# Altium PCB OctopusPB_r0101.PcbDoc (part 10 of 11) (continued)
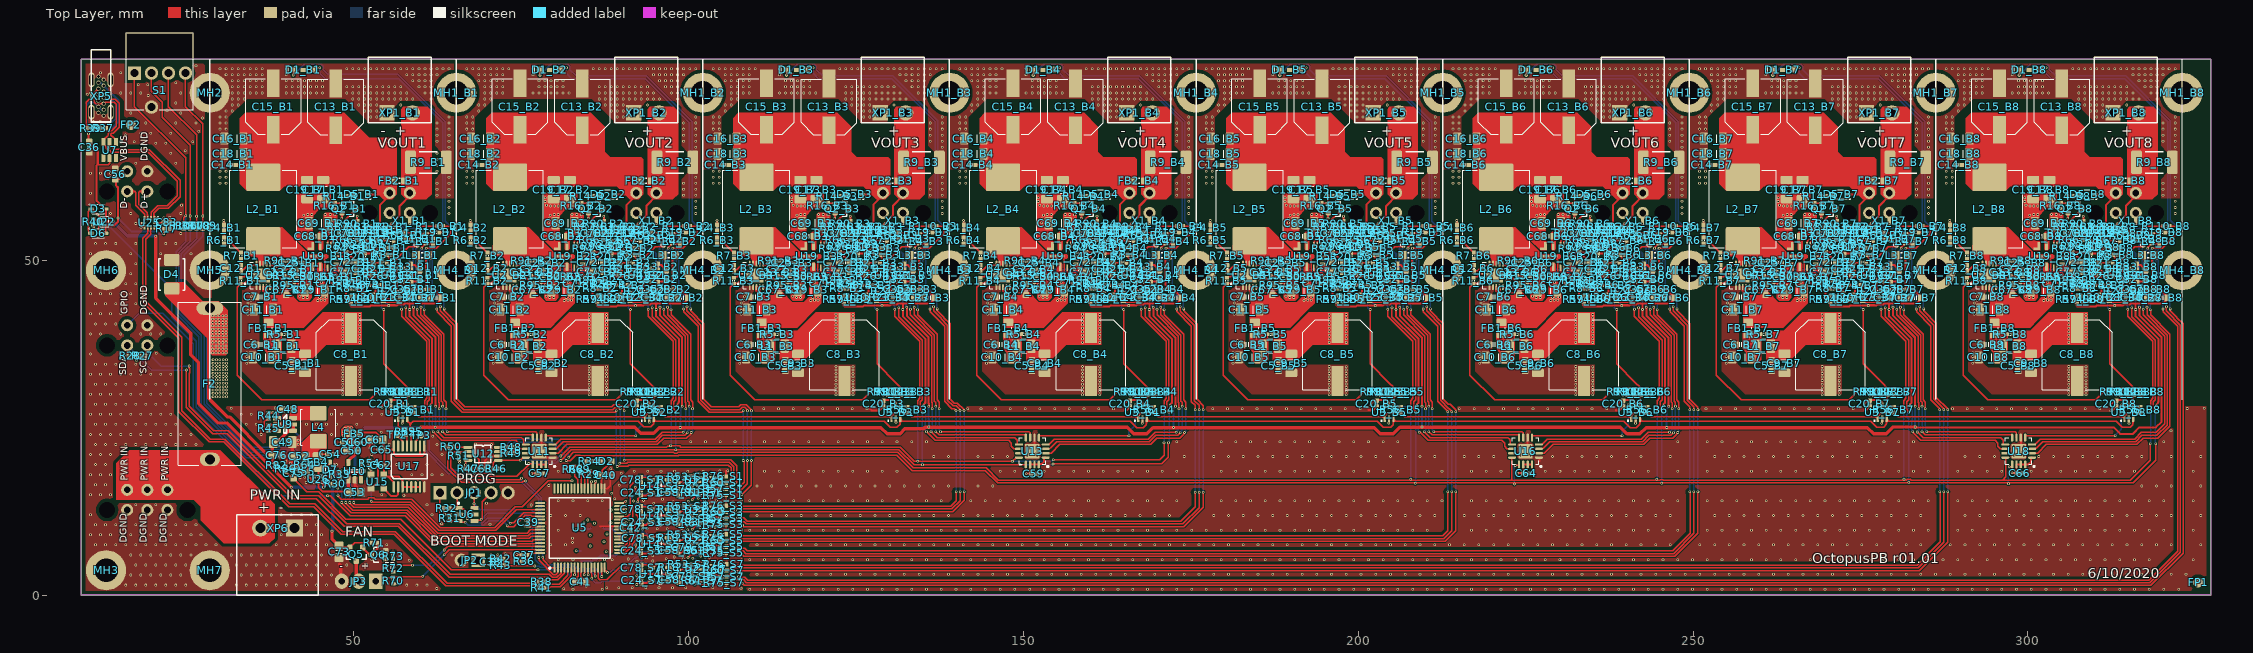
[diagram p0: Top Layer view]
## Nets (pads, with @x,y where several pads share a name; then routed paths per layer and width w, separated by ;. In a path a pad name is that pad's centre, name@x,y a point inside that pad or via, vN(x,y) a via of type N, cw(c..) or ccw(c..) an arc to the next point about the centre after c; other vN are vias at no path point) (continued)
  Top Layer w0.3: D5_B3.1@125.9,59.825 128.765,59.825 XP2_B3.1@129,60.06 129,59.7 127.575,58.275 127.575,55.715 127.375,55.515 v1(127.375,55.35) 127.375,55.3 R12_B3.2@127.178,55.103 ; R63_B3.2@126.13,55.025 126.23,54.925 R12_B3.2@126.9,54.925 ; R63_B3.2@126.15,55.025 R63_B3.2@126.265,55.14
  Bottom Layer w0.2: v1(127.375,55.35) 127.391,55.35 127.737,55.005 130.855,55.005 132.734,53.125 134.113,53.125 134.951,52.286 134.951,51.551 134.575,51.175 134.575,45.834 136.05,44.359 v1(136.05,42.725) ; v1@139.925,15.425 v1(139.925,27.55)
  other v1: 139.95,15.425 124.15,46.675 124.15,47.2
VOUT4: C13_B4.1 C14_B4.1 C15_B4.1 C16_B4.1 C17_B4.1 C18_B4.1 C19_B4.1 D5_B4.1 FB2_B4.1 L2_B4.2 R12_B4.2 R60_S4.1 R63_B4.2 R83_B4.2 XP2_B4.1 | length 132.9
  Top Layer w0.2: v1(107.25,11.55) 108.227,11.55 108.752,11.025 109.925,11.025 173.525,11.025 175.65,13.15 v1(175.65,15.325) ; C14_B4.1@142.84,64.225 143.7,64.225 ; R12_B4.2@163.725,54.925 163.76,54.89 164.21,54.89 v1(164.225,54.875) 164.225,54.88 R12_B4.2@164.003,55.103 ; v1(172.875,42.725) 172.913,42.687 172.913,42.312 ; 172.952,42.273 175.088,40.137 175.088,28.887 175.65,28.325 v1(175.65,27.675)
  Top Layer w0.3: D5_B4.1@162.725,59.825 165.59,59.825 XP2_B4.1@165.825,60.06 165.825,59.7 164.4,58.275 164.4,55.715 164.2,55.515 v1(164.2,55.35) 164.2,55.3 R12_B4.2@164.003,55.103 ; R63_B4.2@162.955,55.025 163.055,54.925 R12_B4.2@163.725,54.925 ; R63_B4.2@162.975,55.025 R63_B4.2@163.09,55.14
  Bottom Layer w0.2: R60_S4.1@105.63,11.46 105.639,11.451 106.091,11.451 106.418,11.125 106.832,11.125 107.25,11.543 v1(107.25,11.55) ; v1(164.2,55.35) 164.216,55.35 164.562,55.005 167.68,55.005 169.559,53.125 170.938,53.125 171.776,52.286 171.776,51.551 171.4,51.175 171.4,45.834 172.875,44.359 v1(172.875,42.725) ; v1(175.65,15.325) v1(175.65,27.675)
  other v1: 160.975,46.675 160.975,47.2
VOUT5: C13_B5.1 C14_B5.1 C15_B5.1 C16_B5.1 C17_B5.1 C18_B5.1 C19_B5.1 D5_B5.1 FB2_B5.1 L2_B5.2 R12_B5.2 R60_S5.1 R63_B5.2 R83_B5.2 XP2_B5.1 | length 174
  Top Layer w0.2: R60_S5.1@105.655,8.155 105.84,8.34 106.09,8.34 106.825,9.075 107.598,9.075 107.848,8.825 212.625,8.825 213.4,9.6 213.4,15.35 v1(213.35,15.4) ; C14_B5.1@179.665,64.225 180.525,64.225 ; R12_B5.2@200.55,54.925 200.585,54.89 201.035,54.89 v1(201.05,54.875) 201.05,54.88 R12_B5.2@200.828,55.103 ; v1(209.7,42.725) 209.738,42.687 209.738,42.312 211.875,40.175 211.875,28.925 213.35,27.45 v1(213.35,27.35)
  Top Layer w0.3: D5_B5.1@199.55,59.825 202.415,59.825 XP2_B5.1@202.65,60.06 202.65,59.7 201.225,58.275 201.225,55.715 201.025,55.515 v1(201.025,55.35) 201.025,55.3 R12_B5.2@200.828,55.103 ; R63_B5.2@199.78,55.025 199.88,54.925 R12_B5.2@200.55,54.925 ; R63_B5.2@199.8,55.025 R63_B5.2@199.915,55.14
  Bottom Layer w0.2: v1(201.025,55.35) 201.041,55.35 201.387,55.005 204.505,55.005 206.384,53.125 207.763,53.125 208.601,52.286 208.601,51.551 208.225,51.175 208.225,45.834 209.7,44.359 v1(209.7,42.725) ; v1(213.35,15.4) v1(213.35,27.35)
  other v1: 197.8,46.675 197.8,47.2
VOUT6: C13_B6.1 C14_B6.1 C15_B6.1 C16_B6.1 C17_B6.1 C18_B6.1 C19_B6.1 D5_B6.1 FB2_B6.1 L2_B6.2 R12_B6.2 R60_S6.1 R63_B6.2 R83_B6.2 XP2_B6.1 | length 211.1
  Top Layer w0.2: v1(107.205,7.15) 107.381,6.975 108.391,6.975 108.766,6.6 246.95,6.6 249.55,9.2 249.55,15.375 v1(249.525,15.4) ; C14_B6.1@216.49,64.225 217.35,64.225 ; R12_B6.2@237.375,54.925 237.41,54.89 237.86,54.89 v1(237.875,54.875) 237.875,54.88 R12_B6.2@237.653,55.103 ; v1(246.525,42.725) 246.563,42.687 246.563,42.312 248.7,40.175 248.7,28.925 249.525,28.1 v1(249.525,27.65)
  Top Layer w0.3: D5_B6.1@236.375,59.825 239.24,59.825 XP2_B6.1@239.475,60.06 239.475,59.7 238.05,58.275 238.05,55.715 237.85,55.515 v1(237.85,55.35) 237.85,55.3 R12_B6.2@237.653,55.103 ; R63_B6.2@236.605,55.025 236.705,54.925 R12_B6.2@237.375,54.925 ; R63_B6.2@236.625,55.025 R63_B6.2@236.74,55.14
  Bottom Layer w0.2: R60_S6.1@105.66,7.225 105.66,7.185 105.845,7 106.193,7 106.393,6.8 106.848,6.8 107.199,7.15 v1(107.205,7.15) ; v1(237.85,55.35) 237.866,55.35 238.212,55.005 241.33,55.005 243.209,53.125 244.588,53.125 245.427,52.286 245.427,51.551 245.05,51.175 245.05,45.834 246.525,44.359 v1(246.525,42.725) ; v1(249.525,15.4) v1(249.525,27.65)
  other v1: 234.625,46.675 234.625,47.2
VOUT7: C13_B7.1 C14_B7.1 C15_B7.1 C16_B7.1 C17_B7.1 C18_B7.1 C19_B7.1 D5_B7.1 FB2_B7.1 L2_B7.2 R12_B7.2 R60_S7.1 R63_B7.2 R83_B7.2 XP2_B7.1 | length 250.4
  Top Layer w0.2: R60_S7.1@105.675,3.685 105.675,3.725 105.86,3.91 106.135,3.91 106.675,4.45 283.469,4.45 286.95,7.931 286.95,15.325 v1(286.85,15.425) ; R60_S7.1@105.685,3.7 R60_S7.1@105.855,3.87 ; C14_B7.1@253.315,64.225 254.175,64.225 ; R12_B7.2@274.2,54.925 274.235,54.89 274.685,54.89 v1(274.7,54.875) 274.7,54.88 R12_B7.2@274.478,55.103 ; v1(283.35,42.725) 283.388,42.687 283.388,42.312 285.525,40.175 285.525,29.15 286.796,27.879 v1@286.796,27.621
  Top Layer w0.3: D5_B7.1@273.2,59.825 276.065,59.825 XP2_B7.1@276.3,60.06 276.3,59.7 274.875,58.275 274.875,55.715 274.675,55.515 v1(274.675,55.35) 274.675,55.3 R12_B7.2@274.478,55.103 ; R63_B7.2@273.43,55.025 273.53,54.925 R12_B7.2@274.2,54.925 ; R63_B7.2@273.45,55.025 R63_B7.2@273.565,55.14
  Bottom Layer w0.2: v1(274.675,55.35) 274.691,55.35 275.037,55.005 278.155,55.005 280.034,53.125 281.413,53.125 282.252,52.286 282.252,51.551 281.875,51.175 281.875,45.834 283.35,44.359 v1(283.35,42.725) ; v1(286.85,15.425) v1(286.85,27.675)
  other v1: 271.45,46.675 271.45,47.2
VOUT8: C13_B8.1 C14_B8.1 C15_B8.1 C16_B8.1 C17_B8.1 C18_B8.1 C19_B8.1 D5_B8.1 FB2_B8.1 L2_B8.2 R12_B8.2 R60_S8.1 R63_B8.2 R83_B8.2 XP2_B8.1 | length 286.9
  Top Layer w0.2: v1(107.45,2.75) 107.488,2.712 107.656,2.712 107.718,2.65 108.373,2.65 108.798,2.225 318.044,2.225 322.35,6.531 322.35,40.175 320.213,42.312 320.213,42.687 v1(320.175,42.725) ; C14_B8.1@290.14,64.225 291,64.225 ; R12_B8.2@311.025,54.925 311.06,54.89 311.51,54.89 v1(311.525,54.875) 311.525,54.88 R12_B8.2@311.303,55.103
  Top Layer w0.3: D5_B8.1@310.025,59.825 312.89,59.825 XP2_B8.1@313.125,60.06 313.125,59.7 311.7,58.275 311.7,55.715 311.5,55.515 v1(311.5,55.35) 311.5,55.3 R12_B8.2@311.303,55.103 ; R63_B8.2@310.255,55.025 310.355,54.925 R12_B8.2@311.025,54.925 ; R63_B8.2@310.275,55.025 R63_B8.2@310.39,55.14
  Bottom Layer w0.2: R60_S8.1@105.705,2.785 105.705,2.745 105.9,2.55 106.273,2.55 106.473,2.35 106.887,2.35 107.287,2.75 v1(107.45,2.75) ; v1(311.5,55.35) 311.516,55.35 311.862,55.005 314.98,55.005 316.859,53.125 318.238,53.125 319.077,52.286 319.077,51.551 318.7,51.175 318.7,45.834 320.175,44.359 v1(320.175,42.725)
  other v1: 308.275,46.675 308.275,47.2
VOUT_CH1: C78_S1.1 R18_S1.1 U5.28 U14_S1.4 | length 14.2
  Top Layer w0.2: U5.28@89.616,11.759 89.666,11.709 90.402,11.709 90.411,11.701 90.833,11.701 91.25,12.118 91.25,16.282 92.363,17.395 92.665,17.395 92.875,17.605 C78_S1.1@92.875,17.625 92.915,17.585 93.698,17.585 94.098,17.185 U14_S1.4@94.375,17.185 94.625,17.185 95.225,17.785 98.355,17.785 R18_S1.1@98.45,17.69
VOUT_CH2: C78_S2.1 R18_S2.1 U5.27 U14_S2.4 | length 12.6
  Top Layer w0.2: U5.27@89.616,11.259 89.635,11.278 90.425,11.278 90.447,11.301 90.975,11.301 91.03,11.245 v1(91.084,11.245)
  Bottom Layer w0.2: v1(91.084,11.245) 91.126,11.286 91.126,13.129 91.211,13.215 91.211,14.219 92.093,15.1 92.835,15.1 92.863,15.073 93.645,15.073 94.045,15.473 U14_S2.4@94.328,15.473 94.573,15.473 95.173,14.873 98.303,14.873 R18_S2.1@98.398,14.968
VOUT_CH3: C78_S3.1 R18_S3.1 U5.19 U14_S3.4 | length 14.8
  Top Layer w0.2: U5.19@89.616,7.259 89.635,7.278 90.372,7.278 90.8,7.707 90.8,8.025 91.985,9.21 91.985,10.94 91.654,11.271 91.654,13.129 91.85,13.325 92.78,13.325 C78_S3.1@92.875,13.23 92.915,13.19 93.698,13.19 94.098,12.79 U14_S3.4@94.375,12.79 94.625,12.79 95.225,13.39 98.355,13.39 R18_S3.1@98.45,13.295
VOUT_CH4: C78_S4.1 R18_S4.1 U5.18 U14_S4.4 | length 11.5
  Top Layer w0.2: U5.18@89.616,6.759 89.635,6.778 90.437,6.778 91.2,7.541 91.2,7.859 92.425,9.084 92.425,9.6
  Bottom Layer w0.2: v1(92.5,9.8) 92.538,9.838 92.538,10.238 92.9,10.6 C78_S4.1@92.9,10.62 ; C78_S4.1@92.895,10.7 92.935,10.66 93.718,10.66 94.118,11.06 U14_S4.4@94.4,11.06 94.645,11.06 95.245,10.46 98.375,10.46 R18_S4.1@98.47,10.555
VOUT_CH5: C78_S5.1 R18_S5.1 U5.17 U14_S5.4 | length 10.7
  Top Layer w0.2: U5.17@89.616,6.259 89.635,6.278 90.562,6.278 91.6,7.316 91.6,7.682 92.613,8.695 92.835,8.695 93.045,8.905 C78_S5.1@93.045,8.915 ; C78_S5.1@92.945,8.955 C78_S5.1@92.945,8.975 ; C78_S5.1@93.045,8.925 C78_S5.1@93.045,8.915 ; R18_S5.1@98.5,9.02 98.345,9.175 95.335,9.175 94.675,8.515 94.148,8.515 93.748,8.915 C78_S5.1@93.045,8.915
VOUT_CH6: C78_S6.1 R18_S6.1 U5.16 U14_S6.4 | length 13.3
  Top Layer w0.2: U5.16@87.491,4.109 87.441,4.109 87.441,3.804 v1(87.881,3.364)
  Bottom Layer w0.2: v1(87.881,3.364) 87.919,3.403 88.278,3.403 88.3,3.425 88.325,3.425 88.625,3.725 90.057,3.725 91.857,5.525 92.09,5.525 92.93,6.365 C78_S6.1@92.93,6.385 ; C78_S6.1@92.965,6.425 93.748,6.425 94.148,6.825 U14_S6.4@94.43,6.825 94.675,6.825 95.275,6.225 98.405,6.225 R18_S6.1@98.5,6.32
VOUT_CH7: C78_S7.1 R18_S7.1 U5.14 U14_S7.4 | length 15.5
  Top Layer w0.2: U5.14@86.491,4.109 86.472,4.09 86.472,3.11 86.525,3.057 86.525,2.483 86.733,2.275 87.8,2.275 90.05,4.525 C78_S7.1@92.945,4.525 ; C78_S7.1@92.745,4.31 92.955,4.52 92.955,4.54 92.995,4.5 93.778,4.5 94.178,4.1 94.705,4.1 95.305,4.7 98.435,4.7 R18_S7.1@98.53,4.605
VOUT_CH8: C78_S8.1 R18_S8.1 U5.12 U14_S8.4 | length 15.9
  Top Layer w0.2: U5.12@85.491,4.109 85.485,4.103 85.485,3.246 85.504,3.227 v1(85.504,2.5)
  Bottom Layer w0.2: v1(85.504,2.5) 85.504,2.446 85.625,2.325 85.625,2.25 86.025,1.85 86.85,1.85 87.076,2.076 92.844,2.076 C78_S8.1@92.975,1.945 92.975,1.965 C78_S8.1@92.765,2.175 ; C78_S8.1@93.01,1.985 93.793,1.985 94.193,2.385 U14_S8.4@94.475,2.385 94.72,2.385 95.32,1.785 98.45,1.785 R18_S8.1@98.545,1.88
VOUT_FB_S1: C58_S1.2 U14_S1.1 U21_S1.4 | length 6.6
  Top Layer w0.2: U14_S1.1@96.975,15.285 97.05,15.21 97.75,15.21 98.025,14.935 98.435,14.935 C58_S1.2@98.45,14.92 98.54,15.01 98.875,15.01 99.075,15.21 99.075,16.425 99.71,17.06 100.681,17.06 101.031,17.41 101.138,17.41 101.313,17.585 U21_S1.4@101.638,17.585
VOUT_FB_S2: C58_S2.2 U14_S2.1 U21_S2.4 | length 6.6
  Bottom Layer w0.2: U14_S2.1@96.923,17.373 96.998,17.448 97.698,17.448 97.973,17.723 98.383,17.723 98.398,17.738 98.488,17.648 98.823,17.648 99.223,17.248 99.223,16.095 99.72,15.598 100.633,15.598 100.983,15.248 101.09,15.248 101.265,15.073 U21_S2.4@101.59,15.073
VOUT_FB_S3: C58_S3.2 U14_S3.1 U21_S3.4 | length 6.2
  Top Layer w0.2: U14_S3.1@96.975,10.89 97.05,10.815 97.75,10.815 98.025,10.54 98.435,10.54 C58_S3.2@98.45,10.525 98.54,10.615 98.875,10.615 99.275,11.015 99.275,12.132 99.808,12.665 100.681,12.665 101.031,13.015 101.138,13.015 U21_S3.4@101.313,13.19
VOUT_FB_S4: C58_S4.2 U14_S4.1 U21_S4.4 | length 6.6
  Bottom Layer w0.2: U14_S4.1@96.995,12.96 97.07,13.035 97.77,13.035 98.045,13.31 98.455,13.31 98.47,13.325 98.56,13.235 98.895,13.235 99.295,12.835 99.295,11.748 99.758,11.285 100.606,11.285 101.056,10.835 101.163,10.835 101.338,10.66 U21_S4.4@101.657,10.66
VOUT_FB_S5: C58_S5.2 U14_S5.1 U21_S5.4 | length 6.6
  Top Layer w0.2: U14_S5.1@97.025,6.615 97.1,6.54 97.8,6.54 98.075,6.265 98.485,6.265 98.5,6.25 98.59,6.34 98.925,6.34 99.325,6.74 99.325,7.85 99.865,8.39 100.731,8.39 100.807,8.467 100.807,8.533 101.034,8.76 101.132,8.76 101.287,8.915 U21_S5.4@101.687,8.915
VOUT_FB_S6: C58_S6.2 U14_S6.1 U21_S6.4 | length 6.6
  Bottom Layer w0.2: U14_S6.1@97.025,8.725 97.1,8.8 97.8,8.8 98.075,9.075 98.485,9.075 98.5,9.09 98.59,9 98.925,9 99.325,8.6 99.325,7.45 99.825,6.95 100.731,6.95 101.081,6.6 101.187,6.6 101.362,6.425 U21_S6.4@101.687,6.425
VOUT_FB_S7: C58_S7.2 U14_S7.1 U21_S7.4 | length 6.6
  Top Layer w0.2: U14_S7.1@97.055,2.2 97.13,2.125 97.83,2.125 98.105,1.85 98.515,1.85 98.53,1.835 98.62,1.925 98.955,1.925 99.355,2.325 99.355,3.455 99.875,3.975 99.89,3.96 100.751,3.96 101.101,4.31 101.207,4.31 101.397,4.5 U21_S7.4@101.717,4.5
VOUT_FB_S8: C58_S8.2 U14_S8.1 U21_S8.4 | length 6.6
  Bottom Layer w0.2: U14_S8.1@97.07,4.285 97.145,4.36 97.845,4.36 98.12,4.635 98.53,4.635 98.545,4.65 98.635,4.56 98.97,4.56 99.37,4.16 99.37,3.08 99.8,2.65 100.641,2.65 100.99,2.301 100.99,2.296 101.301,1.985 U21_S8.4@101.732,1.985
VOUT_SHUNT1: FB2_B1.2 R1_B1.2 R2_B1.2 R9_B1.2 R57_S1.1 XP1_B1.2 XP2_B1.2 | length 94.2
  Top Layer w0.2: R1_B1.2@54.5,55.005 54.515,54.99 55.405,54.99 R2_B1.2@55.42,54.975 ; v1(62.925,43.05) 62.925,42.425 64.05,41.3 64.05,41.266 65.004,40.312 65.004,29.08 66.384,27.7 88.693,27.7 88.993,28 89.407,28 89.607,27.8 v1(89.8,27.8) ; v1(89.729,19.701) 89.768,19.663 90.155,19.663 90.168,19.65 90.75,19.65 90.9,19.8 106.066,19.8 106.725,19.141 106.725,17.262 106.4,16.937 106.4,16.475 106.028,16.103 R57_S1.1@105.723,16.103
  Top Layer w0.3: R2_B1.2@55.42,54.975 55.555,55.11 55.555,55.38 v1(55.7,55.525) 56.85,56.675 56.85,58.1 58.35,59.6 XP2_B1.2@58.35,60.06
  Bottom Layer w0.2: v1(55.7,55.525) 57.25,55.525 58.008,54.767 59.386,54.767 61.701,52.452 61.701,51.386 61.325,51.009 61.325,46 62.925,44.4 v1(62.925,43.05) ; v1(89.729,19.701) 89.768,19.739 89.768,20.178 89.8,20.21 v1(89.8,27.8)
VOUT_SHUNT2: FB2_B2.2 R1_B2.2 R2_B2.2 R9_B2.2 R57_S2.1 XP1_B2.2 XP2_B2.2 | length 62.5
  Top Layer w0.2: R1_B2.2@91.325,55.005 91.34,54.99 92.23,54.99 R2_B2.2@92.245,54.975 ; v1(99.75,43.05) 99.75,42.425 100.875,41.3 100.875,41.266 101.829,40.312 101.829,29.08 103.209,27.7 107.643,27.7 107.968,28.025 108.382,28.025 108.775,27.632 v1(108.775,27.525) ; v1(106.756,16.006) 107.163,15.6 107.732,15.6 108.775,16.643 v1(108.775,20.1)
  Top Layer w0.3: R2_B2.2@92.245,54.975 92.38,55.11 92.38,55.38 v1(92.525,55.525) 93.675,56.675 93.675,58.1 95.175,59.6 XP2_B2.2@95.175,60.06
  Bottom Layer w0.2: v1(92.525,55.525) 94.075,55.525 94.833,54.767 96.211,54.767 98.526,52.452 98.526,51.386 98.15,51.009 98.15,46 99.75,44.4 v1(99.75,43.05) ; R57_S2.1@105.558,16.798 105.561,16.794 105.969,16.794 v1(106.756,16.006) ; v1(108.775,20.1) v1(108.775,27.525)
VOUT_SHUNT3: FB2_B3.2 R1_B3.2 R2_B3.2 R9_B3.2 R57_S3.1 XP1_B3.2 XP2_B3.2 | length 91.7
  Top Layer w0.2: R57_S3.1@105.605,11.465 105.605,11.505 105.79,11.69 106.008,11.69 106.125,11.807 106.125,11.832 106.967,12.674 v1(106.992,12.674) 107.046,12.674 107.222,12.85 139.284,12.85 140.525,14.091 v1@140.525,15.425 ; R1_B3.2@128.15,55.005 128.165,54.99 129.055,54.99 R2_B3.2@129.07,54.975 ; v1(136.575,43.05) 136.575,42.425 137.7,41.3 137.7,41.266 138.654,40.312 138.654,29.08 139.5,28.234 139.948,28.234 140.525,27.657 v1(140.525,27.55)
  Top Layer w0.3: R2_B3.2@129.07,54.975 129.205,55.11 129.205,55.38 v1(129.35,55.525) 130.5,56.675 130.5,58.1 132,59.6 XP2_B3.2@132,60.06
  Layer 2 w0.2: v1(106.992,12.674) v1@107.046,12.674
  Bottom Layer w0.2: v1(129.35,55.525) 130.9,55.525 131.658,54.767 133.036,54.767 135.351,52.452 135.351,51.386 134.975,51.009 134.975,46 136.575,44.4 v1(136.575,43.05) ; v1@140.525,15.425 v1(140.525,27.55)
  other v1: 140.55,15.425
VOUT_SHUNT4: FB2_B4.2 R1_B4.2 R2_B4.2 R9_B4.2 R57_S4.1 XP1_B4.2 XP2_B4.2 | length 128.3
  Top Layer w0.2: v1(106.625,11.625) 106.625,11.468 107.168,10.925 108.287,10.925 108.587,10.625 173.809,10.625 176.25,13.066 v1(176.25,15.325) ; R1_B4.2@164.975,55.005 164.99,54.99 165.88,54.99 R2_B4.2@165.895,54.975 ; 173.4,42.425 v1(173.4,43.05) ; 173.438,42.387 174.563,41.262 ; 174.563,41.227 175.517,40.274 175.517,29.042 176.25,28.309 v1(176.25,27.675)
  Top Layer w0.3: R2_B4.2@165.895,54.975 166.03,55.11 166.03,55.38 v1(166.175,55.525) 167.325,56.675 167.325,58.1 168.825,59.6 XP2_B4.2@168.825,60.06
  Bottom Layer w0.2: R57_S4.1@105.63,12.385 105.63,12.345 105.815,12.16 106.09,12.16 v1(106.625,11.625) ; v1(166.175,55.525) 167.725,55.525 168.483,54.767 169.861,54.767 172.176,52.452 172.176,51.386 171.8,51.009 171.8,46 173.4,44.4 v1(173.4,43.05) ; v1(176.25,15.325) v1(176.25,27.675)
VOUT_SHUNT5: FB2_B5.2 R1_B5.2 R2_B5.2 R9_B5.2 R57_S5.1 XP1_B5.2 XP2_B5.2 | length 169.4
  Top Layer w0.2: R57_S5.1@105.655,7.23 105.84,7.415 105.956,7.415 106.321,7.781 106.321,7.979 107.018,8.675 107.432,8.675 107.682,8.425 212.791,8.425 213.95,9.584 v1(213.95,15.4) ; R1_B5.2@201.8,55.005 201.815,54.99 202.705,54.99 R2_B5.2@202.72,54.975 ; v1(210.225,43.05) 210.225,42.425 211.35,41.3 211.35,41.266 212.304,40.312 212.304,29.062 213.516,27.85 213.557,27.85 213.95,27.457 v1(213.95,27.35)
  Top Layer w0.3: R2_B5.2@202.72,54.975 202.855,55.11 202.855,55.38 v1(203,55.525) 204.15,56.675 204.15,58.1 205.65,59.6 XP2_B5.2@205.65,60.06
  Bottom Layer w0.2: v1(203,55.525) 204.55,55.525 205.308,54.767 206.686,54.767 209.001,52.452 209.001,51.386 208.625,51.009 208.625,46 210.225,44.4 v1(210.225,43.05) ; v1(213.95,15.4) v1(213.95,27.35)
VOUT_SHUNT6: FB2_B6.2 R1_B6.2 R2_B6.2 R9_B6.2 R57_S6.1 XP1_B6.2 XP2_B6.2 | length 206.5
  Top Layer w0.2: v1(106.6,7.3) 106.638,7.262 106.638,7.01 107.073,6.575 108.175,6.575 108.55,6.2 247.116,6.2 250.125,9.209 v1(250.125,15.4) ; R1_B6.2@238.625,55.005 238.64,54.99 239.53,54.99 R2_B6.2@239.545,54.975 ; v1(247.05,43.05) 247.05,42.425 248.175,41.3 ; 248.175,41.266 249.129,40.312 249.129,29.08 250.125,28.084 v1(250.125,27.65)
  Top Layer w0.3: R2_B6.2@239.545,54.975 239.68,55.11 239.68,55.38 v1(239.825,55.525) 240.975,56.675 240.975,58.1 242.475,59.6 XP2_B6.2@242.475,60.06
  Bottom Layer w0.2: R57_S6.1@105.66,8.15 105.66,8.11 105.845,7.925 105.975,7.925 v1(106.6,7.3) ; v1(239.825,55.525) 241.375,55.525 242.133,54.767 243.511,54.767 245.827,52.452 245.827,51.386 245.45,51.009 245.45,46 247.05,44.4 v1(247.05,43.05) ; v1(250.125,15.4) v1(250.125,27.65)
VOUT_SHUNT7: FB2_B7.2 R1_B7.2 R2_B7.2 R9_B7.2 R57_S7.1 XP1_B7.2 XP2_B7.2 | length 245.3
  Top Layer w0.2: R57_S7.1@105.675,2.76 105.675,2.8 105.86,2.985 105.976,2.985 106.675,3.684 106.675,3.707 107.018,4.05 283.634,4.05 287.45,7.866 v1(287.45,15.425) ; R1_B7.2@275.45,55.005 275.465,54.99 276.355,54.99 R2_B7.2@276.37,54.975 ; v1(283.875,43.05) 283.875,42.425 285,41.3 285,41.266 285.954,40.312 285.954,29.312 287.45,27.816 v1(287.45,27.675)
  Top Layer w0.3: R2_B7.2@276.37,54.975 276.505,55.11 276.505,55.38 v1(276.65,55.525) 277.8,56.675 277.8,58.1 279.3,59.6 XP2_B7.2@279.3,60.06
  Bottom Layer w0.2: v1(276.65,55.525) 278.2,55.525 278.958,54.767 280.336,54.767 282.652,52.452 282.652,51.386 282.275,51.009 282.275,46 283.875,44.4 v1(283.875,43.05) ; v1(287.45,15.425) v1(287.45,27.675)
VOUT_SHUNT8: FB2_B8.2 R1_B8.2 R2_B8.2 R9_B8.2 R57_S8.1 XP1_B8.2 XP2_B8.2 | length 282
  Top Layer w0.2: v1(106.68,2.85) 106.68,2.813 107.268,2.225 107.768,2.225 107.793,2.25 108.207,2.25 108.632,1.825 318.209,1.825 322.779,6.395 322.779,40.312 321.825,41.266 ; R1_B8.2@312.275,55.005 312.29,54.99 313.18,54.99 R2_B8.2@313.195,54.975 ; v1(320.7,43.05) 320.7,42.425 321.825,41.3
  Top Layer w0.3: R2_B8.2@313.195,54.975 313.33,55.11 313.33,55.38 v1(313.475,55.525) 314.625,56.675 314.625,58.1 316.125,59.6 XP2_B8.2@316.125,60.06
  Bottom Layer w0.2: R57_S8.1@105.705,3.71 105.705,3.67 105.89,3.485 106.045,3.485 v1(106.68,2.85) ; v1(313.475,55.525) 315.025,55.525 315.783,54.767 317.161,54.767 319.477,52.452 319.477,51.386 319.1,51.009 319.1,46 320.7,44.4 v1(320.7,43.05)
VREFIO_B1: C34_B1.1 C35_B1.1 U4_B1.8 | length 2.8
  Top Layer w0.2: U4_B1.8@57.479,46.825 57.479,46.565 57.905,46.139 57.905,45.86 58.115,45.65 C35_B1.1@58.135,45.65 58.138,45.647 58.138,44.663 C34_B1.1@58.4,44.4
VREFIO_B2: C34_B2.1 C35_B2.1 U4_B2.8 | length 2.8
  Top Layer w0.2: U4_B2.8@94.304,46.825 94.304,46.565 94.73,46.139 94.73,45.86 94.94,45.65 C35_B2.1@94.96,45.65 94.963,45.647 94.963,44.663 C34_B2.1@95.225,44.4
VREFIO_B3: C34_B3.1 C35_B3.1 U4_B3.8 | length 2.8
  Top Layer w0.2: U4_B3.8@131.129,46.825 131.129,46.565 131.555,46.139 131.555,45.86 131.765,45.65 C35_B3.1@131.785,45.65 131.788,45.647 131.788,44.663 C34_B3.1@132.05,44.4
VREFIO_B4: C34_B4.1 C35_B4.1 U4_B4.8 | length 2.8
  Top Layer w0.2: U4_B4.8@167.954,46.825 167.954,46.565 168.38,46.139 168.38,45.86 168.59,45.65 C35_B4.1@168.61,45.65 168.613,45.647 168.613,44.663 C34_B4.1@168.875,44.4
VREFIO_B5: C34_B5.1 C35_B5.1 U4_B5.8 | length 2.8
  Top Layer w0.2: U4_B5.8@204.779,46.825 204.779,46.565 205.205,46.139 205.205,45.86 205.415,45.65 C35_B5.1@205.435,45.65 205.438,45.647 205.438,44.663 C34_B5.1@205.7,44.4
VREFIO_B6: C34_B6.1 C35_B6.1 U4_B6.8 | length 2.8
  Top Layer w0.2: U4_B6.8@241.604,46.825 241.604,46.565 242.03,46.139 242.03,45.86 242.24,45.65 C35_B6.1@242.26,45.65 242.263,45.647 242.263,44.663 C34_B6.1@242.525,44.4
VREFIO_B7: C34_B7.1 C35_B7.1 U4_B7.8 | length 2.8
  Top Layer w0.2: U4_B7.8@278.429,46.825 278.429,46.565 278.855,46.139 278.855,45.86 279.065,45.65 C35_B7.1@279.085,45.65 279.088,45.647 279.088,44.663 C34_B7.1@279.35,44.4
VREFIO_B8: C34_B8.1 C35_B8.1 U4_B8.8 | length 2.8
  Top Layer w0.2: U4_B8.8@315.254,46.825 315.254,46.565 315.68,46.139 315.68,45.86 315.89,45.65 C35_B8.1@315.91,45.65 315.913,45.647 315.913,44.663 C34_B8.1@316.175,44.4
VUSB_MCU: R30.2 U22.B2 U26.A2 | length 62.2
  Top Layer w0.3: U22.B2@12.975,55.775 14,55.775 v1(14.025,55.8) ; U26.A2@45.2,17.05 45.2,16.775 45.45,16.525 v1@45.45,16.075 ; v1(45.469,16.094) 45.944,16.569 46.714,16.569 R30.2@46.745,16.6
  Top Layer w0.5: v1(20.4,53.6) 20.4,44.35 25.651,39.099 25.651,35.85 26.801,34.7 26.801,28.599 29.7,25.7 31,25.7 v1(40.625,16.075)
  Bottom Layer w0.5: v1(14.025,55.8) 16.15,53.675 20.175,53.675 ; v1(40.625,16.075) 40.644,16.094 v1(45.469,16.094)
pads on no net: D1_B1.0 D1_B2.0 D1_B3.0 D1_B4.0 D1_B5.0 D1_B6.0 D1_B7.0 D1_B8.0 FP1.0 FP2.0 MH1_B1.0 MH1_B2.0 MH1_B3.0 MH1_B4.0 MH1_B5.0 MH1_B6.0 MH1_B7.0 MH1_B8.0 MH4_B1.0 MH4_B2.0 MH4_B3.0 MH4_B4.0 MH4_B5.0 MH4_B6.0 MH4_B7.0 MH4_B8.0 U2_B1.14 U2_B2.14 U2_B3.14 U2_B4.14 U2_B5.14 U2_B6.14 U2_B7.14 U2_B8.14 U5.35 U5.42 U5.43 U5.44 U5.45 U5.46 U5.47 U5.48 U5.49 U5.50 U5.54 U6.5 U7.4 U7.6 U10.4 U11.11 U13.11 U16.11 U17.15 U18.11 U19_B1.5 U19_B2.5 U19_B3.5 U19_B4.5 U19_B5.5 U19_B6.5 U19_B7.5 U19_B8.5 U20_B1.7 U20_B2.7 U20_B3.7 U20_B4.7 U20_B5.7 U20_B6.7 U20_B7.7 U20_B8.7 XP2_B1.0 XP2_B2.0 XP2_B3.0 XP2_B4.0 XP2_B5.0 XP2_B6.0 XP2_B7.0 XP2_B8.0 XP3.0 XP4.0 XP7.0
copper on no net: | length 0
  Top Layer w0.2: 82.947,15.928 82.966,15.909

## Polygon pours and split planes (outlines as drawn)
DGND on Bottom Layer "DGND-BOT" (solid, pour order 125): 27.95,80 9.3,80 9.3,0 327.3,0 327.3,28.3 28.35,28.3 28.35,79.6
AGND on Bottom Layer "AGND_BOT" (solid, pour order 66): 108.104,0.25 108.104,17.546 106.75,18.9 91.375,18.9 88.175,15.7 88.175,12.5 87.1,11.425 84.775,11.425 83.625,10.275 83.625,6.475 86.175,3.925 87.55,2.55 87.55,0.25
DGND on Bottom Layer "PGND-BOT" (solid, pour order 155): 84.425,56.1 84.425,42.45 65.575,42.45 65.575,80 101.825,80 101.825,56.1
DGND on Bottom Layer "PGND-BOT" (solid, pour order 157): 121.25,56.2 121.25,42.45 102.4,42.45 102.4,80 138.65,80 138.65,56.2
DGND on Bottom Layer "PGND-BOT" (solid, pour order 169): 305.375,56.1 305.375,42.45 286.525,42.45 286.525,80 322.775,80 322.775,56.1
DGND on Bottom Layer "PGND-BOT" (solid, pour order 167): 268.55,56.1 268.55,42.45 249.7,42.45 249.7,80 285.95,80 285.95,56.1
DGND on Bottom Layer "PGND-BOT" (solid, pour order 165): 231.725,56.1 231.725,42.45 212.875,42.45 212.875,80 249.125,80 249.125,56.1
DGND on Bottom Layer "PGND-BOT" (solid, pour order 163): 194.9,56.1 194.9,42.45 176.05,42.45 176.05,80 212.3,80 212.3,56.1
DGND on Bottom Layer "PGND-BOT" (solid, pour order 159): 158.075,56.1 158.075,42.45 139.225,42.45 139.225,80 175.475,80 175.475,56.1
DGND on Bottom Layer "PGND-BOT" (solid, pour order 137): 47.6,56.2 47.6,42.45 28.75,42.45 28.75,80 65,80 65,56.2
DGND on Bottom Layer "PGND_BOT" (solid, pour order 111): 28.5,35.425 322.75,35.425 322.75,29.125 28.5,29.125
15-26VIN_F on Bottom Layer "15-26VIN_F_BOT" (solid, pour order 64): 33.5,42.225 31.325,44.4 26.9,44.4 25.8,43.3 25.8,35.925 28.5,35.925 322.75,35.925 322.75,42.225
3V3 on Layer 2 "3V3-MID2" (solid, pour order 123): 27.95,80 9.3,80 9.3,0 327.3,0 327.3,28.3 27.9,28.3 27.9,49.1 27.9,56.8
AGND on Layer 2 "AGND_MID2" (solid, pour order 117): 108.104,0.25 108.104,17.546 106.75,18.9 91.375,18.9 88.175,15.7 88.175,12.5 87.1,11.425 84.775,11.425 83.625,10.275 83.625,6.475 86.175,3.925 87.55,2.55 87.55,0.25
DGND on Layer 2 "Bottom Layer-PGND" (solid, pour order 105): 84.425,43.725 80.775,43.725 80.775,42.425 65.6,42.425 65.6,80 101.8,80 101.8,42.45 84.725,42.45 84.725,56.927 84.425,56.927
DGND on Layer 2 "Bottom Layer-PGND" (solid, pour order 103): 121.25,43.725 117.6,43.725 117.6,42.425 102.5,42.425 102.5,80 138.7,80 138.7,42.45 121.55,42.45 121.55,56.927 121.25,56.927
DGND on Layer 2 "Bottom Layer-PGND" (solid, pour order 104): 194.9,43.725 191.25,43.725 191.25,42.425 176.1,42.425 176.1,80 212.3,80 212.3,42.45 195.2,42.45 195.2,56.927 194.9,56.927
15-26VIN_F on Layer 2 "15-26VIN_F" (solid, pour order 65): 33.875,42.225 31.8,44.3 26.8,44.3 26,43.5 26,41.9 28.5,39.4 28.5,29.125 322.75,29.125 322.75,42.225
DGND on Layer 2 "Bottom Layer-PGND" (solid, pour order 106): 158.075,43.725 154.425,43.725 154.425,42.425 139.3,42.425 139.3,80 175.4,80 175.4,42.45 158.375,42.45 158.375,56.927 158.075,56.927
DGND on Layer 2 "Bottom Layer-PGND" (solid, pour order 107): 231.725,43.725 228.075,43.725 228.075,42.425 212.8,42.425 212.8,80 249.1,80 249.1,42.45 232.025,42.45 232.025,56.927 231.725,56.927
DGND on Layer 2 "Bottom Layer-PGND" (solid, pour order 108): 268.55,43.725 264.9,43.725 264.9,42.425 249.7,42.425 249.7,80 285.9,80 285.9,42.45 268.85,42.45 268.85,56.927 268.55,56.927
DGND on Layer 2 "Bottom Layer-PGND" (solid, pour order 109): 305.375,43.725 301.725,43.725 301.725,42.425 286.5,42.425 286.5,80 323.075,80 323.075,42.45 305.675,42.45 305.675,56.927 305.375,56.927
DGND on Layer 2 "Bottom Layer-PGND" (solid, pour order 102): 47.6,43.725 43.95,43.725 43.95,42.425 29.116,42.425 29.116,80 64.9,80 64.9,42.45 47.9,42.45 47.9,56.927 47.6,56.927
DGND on Top Layer "DGND-TOP" (solid, remove dead copper, pour order 127): 27.725,79.925 9.075,79.925 9.075,-0.075 327.075,-0.075 327.075,28.2 28.775,28.2 28.775,28.925 28.775,47.925 27.675,49.025 27.675,56.725
AGND on Top Layer "AGND_TOP" (solid, pour order 113): 108.104,0.25 108.104,17.546 106.75,18.9 91.375,18.9 88.7,16.225 88.7,6.15 87.025,4.475 87.025,3.075 87.55,2.55 87.55,0.25